# Altium PCB SmartHaloEE.PcbDoc (part 2 of 3) (continued)
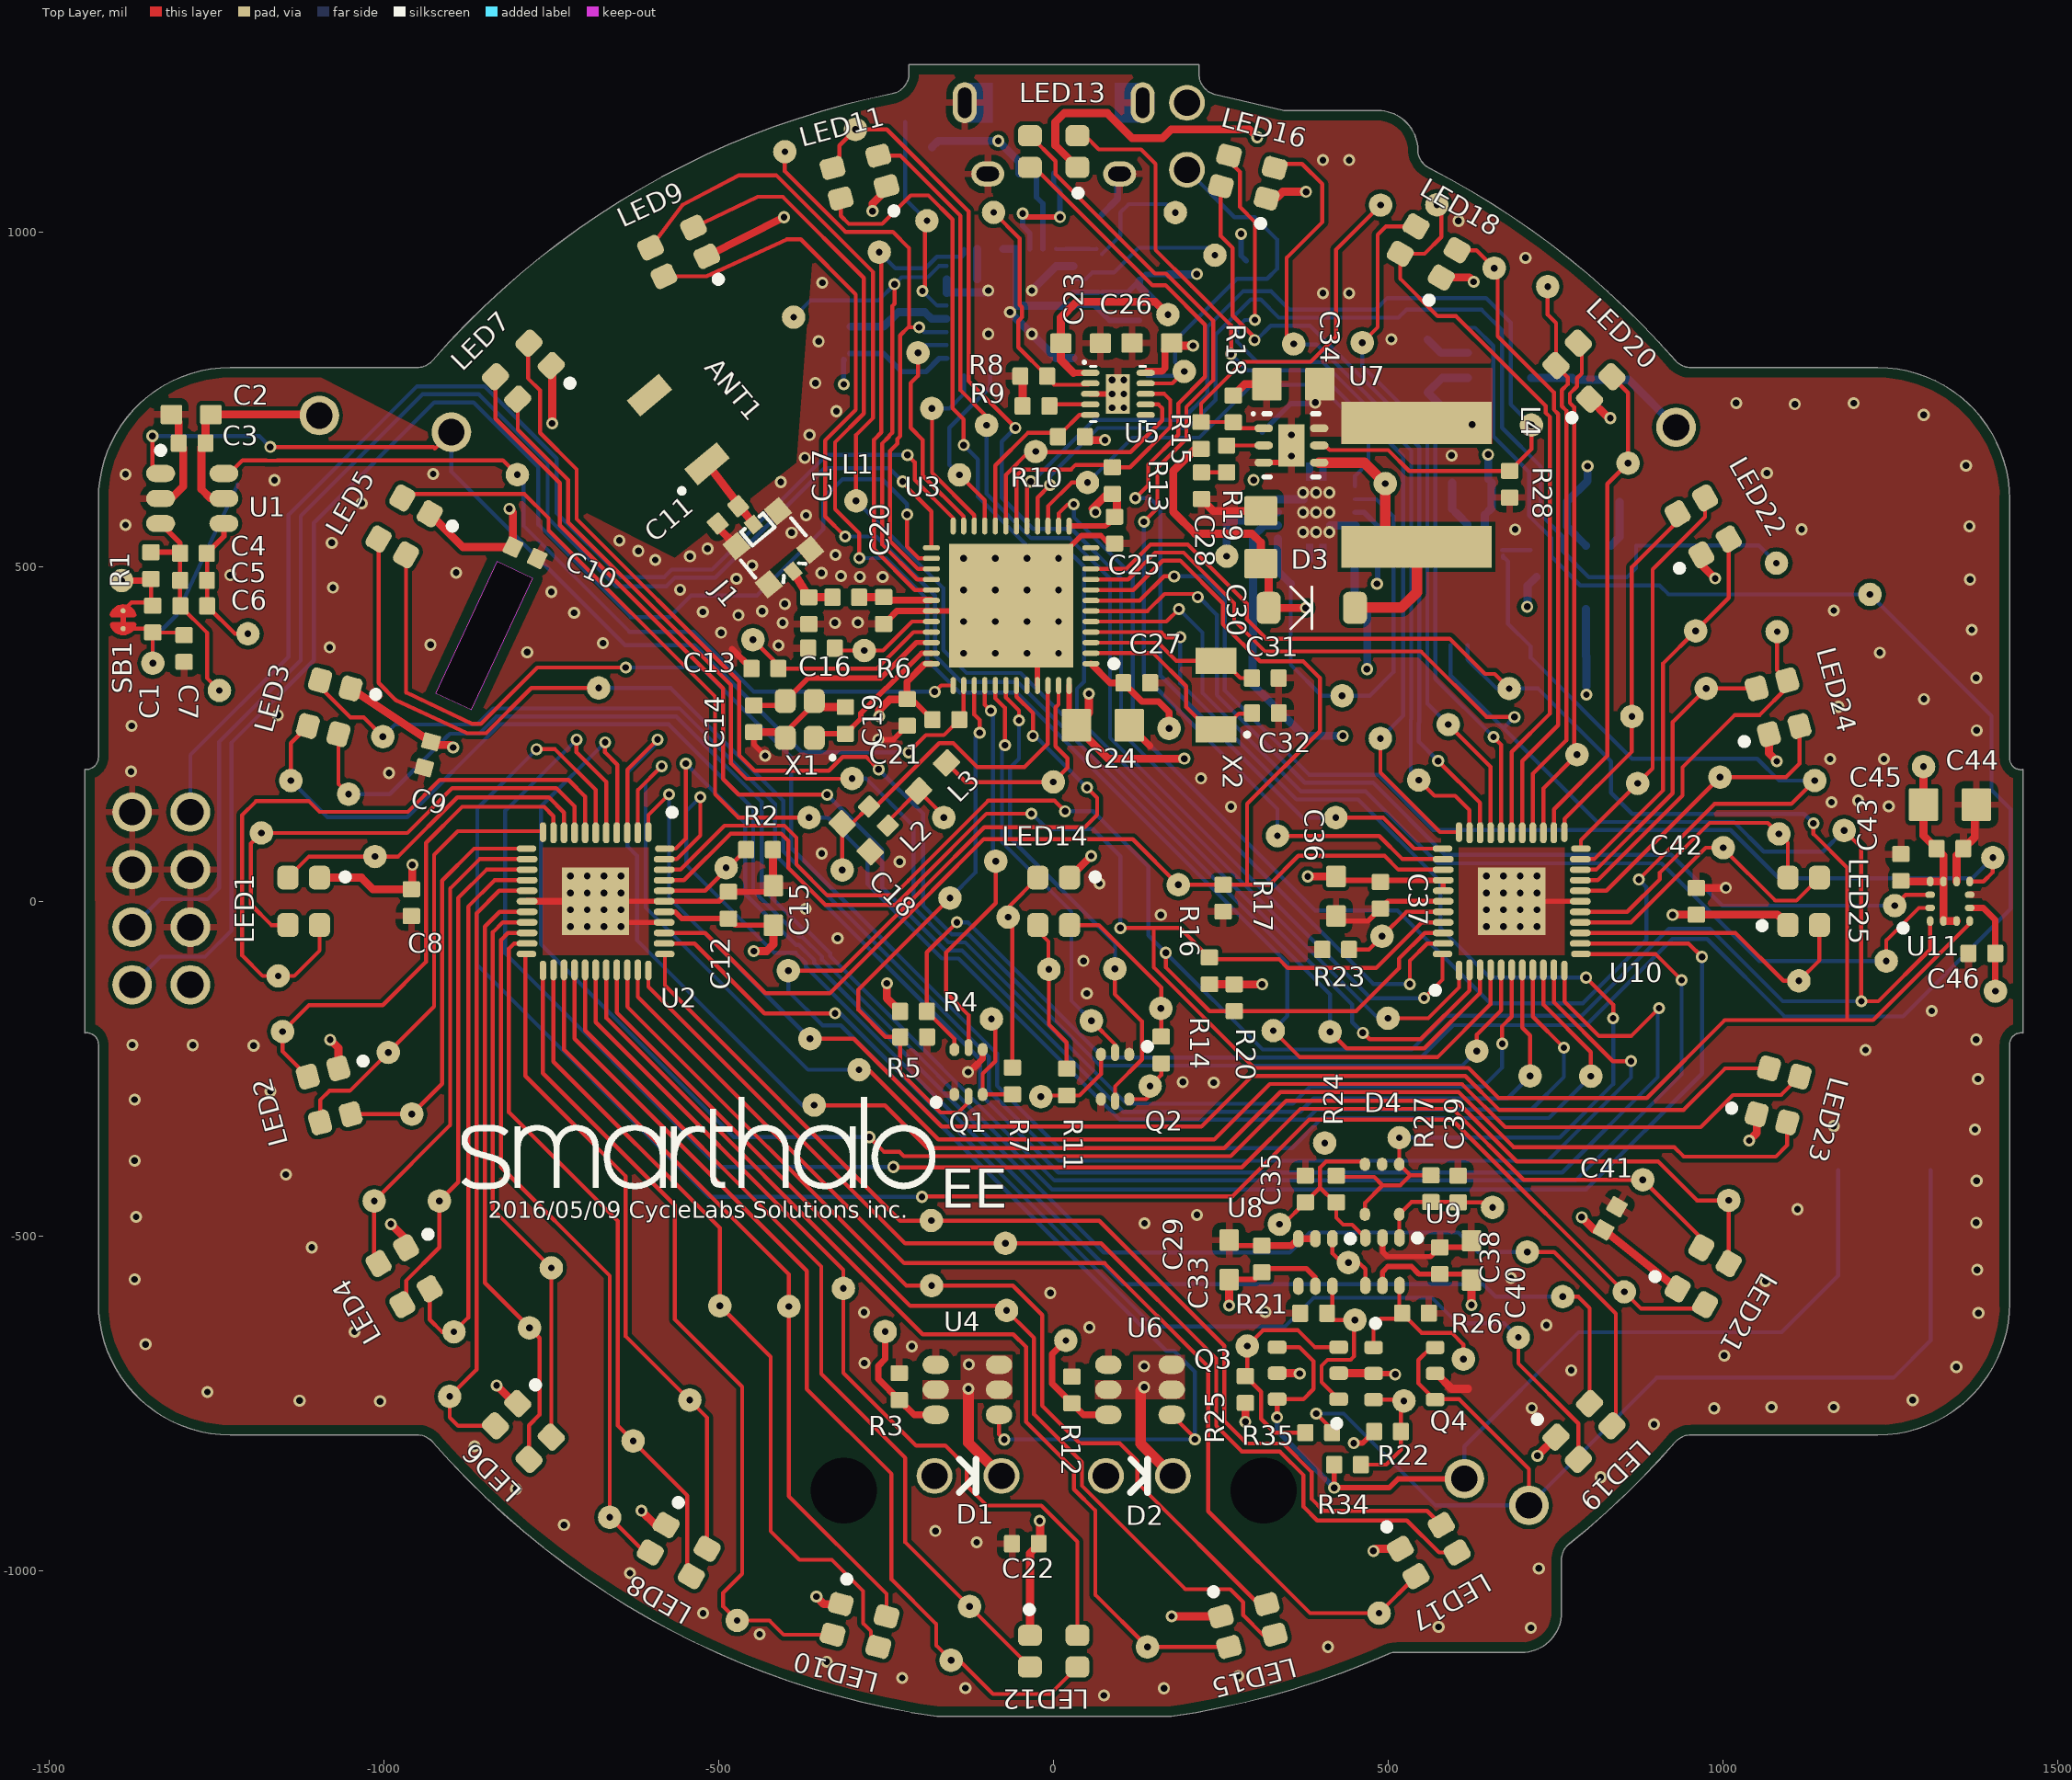
[diagram p0: Top Layer view]
## Nets (pads, with @x,y where several pads share a name; then routed paths per layer and width w, separated by ;. In a path a pad name is that pad's centre, name@x,y a point inside that pad or via, vN(x,y) a via of type N, cw(c..) or ccw(c..) an arc to the next point about the centre after c; other vN are vias at no path point) (continued)
  other v2: -721.77,-37.72 -696.61,-37.72 -671.5,-37.72 -646.34,-37.72 646.34,-37.72 671.5,-37.72 696.61,-37.72 721.77,-37.72 -721.77,-12.57 -696.61,-12.56 -671.5,-12.56 -646.34,-12.56 646.34,-12.56 671.5,-12.56 696.61,-12.56 721.77,-12.57 -721.77,12.57 -696.61,12.56 -671.5,12.56 -646.34,12.56 646.34,12.56 671.5,12.56 696.61,12.56 721.77,12.57 -721.77,37.72 -696.61,37.72 -671.5,37.72 -646.34,37.72 646.34,37.72 671.5,37.72 696.61,37.72 721.77,37.72 -134.39,370.65 -87.15,370.65 -39.9,370.65 7.34,370.65 -134.39,417.89 -87.15,417.89 -39.9,417.89 7.34,417.89 -134.39,465.14 -87.15,465.14 -39.9,465.14 7.34,465.14 -134.39,512.38 -87.15,512.38 -39.9,512.38 7.34,512.38 372.32,551.47 392,551.47 411.69,551.47 372.32,581 392,581 411.69,581 372.32,610.53 392,610.53 411.69,610.53 355.1,665.25 355.1,696.75 87.14,737.33 104.86,737.33 104.86,758 87.14,778.67 104.86,778.67
INT_1_XL: TP5.1 U3.5 U11.12 | length 1582.5
  Top Layer w6: U3.5@55.57,417.89 168.39,417.89 v1(187,436.5) ; TP5.1@1243.4,-89.2 1243.4,-58.5 1292.06,-9.84 U11.12@1309.06,-9.84
  Bottom Layer w6: v1(187,436.5) 222.1,401.4 222.1,311.4 369.3,164.2 466,164.2 573.4,56.8 907.8,56.8 1053.8,-89.2 TP5.1@1243.4,-89.2
INT_2_XL: TP4.1 U3.6 U11.11 | length 1534.7
  Top Layer w6: U3.6@55.57,433.64 139.94,433.64 165.4,459.1 212.4,459.1 215.1,456.4 v1(215.1,454.6) ; TP4.1@1256.1,-6.5 1272.2,9.6 1280.45,9.6 1280.69,9.84 U11.11@1309.06,9.84
  Bottom Layer w6: v1(215.1,454.6) 216.9,454.6 243.6,427.9 243.6,308.4 374.9,177.1 477,177.1 584.6,69.5 922.4,69.5 998.4,-6.5 TP4.1@1256.1,-6.5
INT_MAG: TP2.1 U3.7 U11.7 | length 1704.6
  Top Layer w6: U3.7@55.57,449.39 128.59,449.39 164.7,485.5 v1(179.9,485.5) ; U11.7@1368.11,29.53 1388.63,29.53 1402.6,43.5 TP2.1@1402.6,65.2
  Bottom Layer w6: v1(179.9,485.5) 223.4,485.5 255.6,453.3 255.6,315 381.5,189.1 484.4,189.1 566.9,106.6 1010.98,106.6 1083.18,34.4 1371.8,34.4 TP2.1@1402.6,65.2
ISET: R8.1 TP147.1 U5.2 | length 354
  Top Layer w6: TP147.1@-89.7,1029.1 -50.72,990.12 -50.72,890.98 -47.2,887.46 -47.2,872.55 -52.9,866.85 -52.9,827.7 R8.1@-9.8,784.6 ; R8.1@-11.25,783.15 0.37,771.53 52.44,771.53 U5.2@54.66,773.75
ISET2: TP74.1 U3.19 U5.7 | length 389.6
  Top Layer w6: U3.19@-71.4,560.61 -71.4,637.07 -36.57,671.9 TP74.1@-26.9,671.9 -26,671 114.6,671 162.1,718.5 162.1,736.5 156.35,742.25 U5.7@137.34,742.25
NetC1_2: C1.2 R1.2 SB1.1 TP144.1 | length 123.3
  Top Layer w6: SB1.1@-1389.8,433.9 -1377.3,446.4 -1348.2,446.4 R1.2@-1348.2,481.5
  Top Layer w10: TP144.1@-1392,479.1 R1.2@-1350.6,479.1
NetC20_2: C20.2 L1.1 U3.30 | length 102.6
  Top Layer w10: C20.2@-249.39,449.69 U3.30@-183.12,449.69
  Top Layer w12.38: L1.1@-290.5,454.1 C20.2@-254.2,454.1
NetC28_1: C28.1 R19.2 | length 37.3
  Top Layer w6: C28.1@220.8,640.9 R19.2@258.1,640.9
NetC35_1: C35.1 D4.3 R24.1 TP56.1 U9.3 | length 298.2
  Top Layer w6: TP56.1@337.3,-482.5 343,-482.5 C35.1@375.8,-449.7 397.8,-427.7 ; R24.1@419.9,-449.8 397.8,-427.7 ; R24.1@422,-449.8 422,-472.83 432.27,-483.1 445.77,-483.1 U9.3@465.52,-502.85 ; D4.3@464.85,-392.81 464.85,-388.8 406.75,-388.8 397.8,-397.75 397.8,-427.7
NetC39_1: C39.1 D4.5 R27.1 TP35.1 U9.1 | length 184.9
  Top Layer w6: U9.1@516.04,-502.85 D4.5@516.04,-467.61 534.32,-449.33 R27.1@563.26,-449.33 C39.1@603.53,-449.33 ; C39.1@604,-449.8 648.1,-449.8 TP35.1@655.5,-457.2
NetC46_1: C46.1 TP1.1 U11.5 | length 151.9
  Top Layer w10: U11.5@1368.11,-9.84 1388.34,-9.84 1406.2,-27.7 C46.1@1406.2,-77.8 TP1.1@1406.2,-134.1
NetD1_2: D1.2 U4.2 U4.3 U4.5 | length 150.7
  Top Layer w16: v2(-127.4,-728.2) -127.4,-808.94 D1.2@-77.95,-858.39
  other v2: -126.6,-692.1
NetD2_2: D2.2 U6.2 U6.3 U6.5 | length 147.1
  Top Layer w16: v2@129.9,-731.2 129.9,-810.33 D2.2@177.95,-858.39
  other v2: 135.2,-725.9 135.2,-694.5
NetD3_2: D3.2 L4.2 TP151.1 U7.4 | length 419.7
  Top Layer w16: U7.4@396.44,655.41 463.89,655.41 TP151.1@495.3,624 495.3,538.9 503.62,530.58 L4.2@526.82,530.58 ; D3.2@450,438.9 519.6,438.9 542.4,461.7 542.4,530.58 L4.2@526.82,530.58 ; L4.2@527.82,529.58 L4.2@526.82,530.58
NetL2_2: L2.2 L3.1 TP85.1 | length 124.2
  Top Layer w6: L2.2@-247.66,113.26 -247.66,119.25 L3.1@-201.78,165.12 TP85.1@-164.1,127.44
NetL3_2: L3.2 TP71.1 U3.47 | length 333.8
  Top Layer w6: L3.2@-160.07,206.84 -131.22,178 -0.8,178 TP71.1@-0.5,178.3 20.7,199.5 20.7,213.6 2.87,231.43 2.87,289.7 7.3,294.14 U3.47@7.34,322.42 U3.47@7.34,322.42
NetL5_2: L5.2 TP149.1 U15.3 | length 123.8
  Bottom Layer w12: TP149.1@258.4,515.5 L5.2@258.4,561.49 ; L5.2@262.27,568.57 290.77,568.57 303.2,581 U15.3@334.93,581
NetQ1_3: Q1.3 R7.1 TP79.1 | length 167.1
  Top Layer w6: TP79.1@-93,-175.8 -87.2,-181.6 -87.2,-238.8 -106.02,-257.62 Q1.3@-106.02,-288.46 R7.1@-61.76,-288.46
NetQ2_3: Q2.3 R11.1 TP73.1 | length 130.6
  Top Layer w6: TP73.1@-17.4,-290.1 R11.1@19.4,-290.1 38.6,-290.1 70.52,-258.18 Q2.3@70.52,-228.74
NetQ2_6: Q2.6 R14.1 TP65.1 | length 88.1
  Top Layer w6: Q2.6@112.88,-295.66 138.04,-295.66 144,-289.7 TP65.1@144,-275.9 160.6,-259.3 R14.1@160.6,-242.1
NetQ3_3: Q3.3 R25.1 R35.2 TP148.1 | length 352.3
  Top Layer w6: R25.1@286.3,-709.5 309.6,-732.8 309.6,-773.3 330.3,-794 374.3,-794 R35.2@374.3,-797.7 ; R25.1@289.1,-709.5 TP148.1@289.1,-664.3 312.5,-640.9 364.9,-640.9 389.9,-665.9 Q3.3@425.7,-665.9
NetQ4_3: Q4.3 R22.1 R34.2 TP146.1 | length 186.6
  Top Layer w6: R34.2@458.9,-841.5 496.6,-841.5 518.5,-819.6 R22.1@518.5,-792.2 TP146.1@518.5,-745.3 ; Q4.3@477.7,-744.5 TP146.1@521.3,-744.5
NetR2_1: R2.1 TP109.1 U2.40 | length 147.8
  Top Layer w6: U2.40@-581.69,15.75 -520.65,15.75 R2.1@-459.3,77.1
NetR3_2: R3.2 TP92.1 U4.6 | length 183
  Top Layer w10: TP92.1@-251.7,-642.8 -251.7,-683.7 -262.1,-694.1 -262.1,-713.39 R3.2@-230.61,-744.88 -208.45,-767.05 U4.6@-176.18,-767.05
NetR12_2: R12.2 TP70.1 U6.6 | length 176.3
  Top Layer w10: TP70.1@18.1,-656 -2.4,-676.5 -2.4,-720.41 R12.2@27.24,-750.06 44.23,-767.05 U6.6@81.69,-767.05
NetR15_1: R15.1 R18.2 TP150.1 U7.1 | length 592
  Top Layer w6: U7.1@313.76,706.59 267.51,706.59 258.1,716 R15.1@220.1,716 220.1,743.55 282.56,806.02 383.92,806.02 421.8,843.9 421.8,973.6 TP150.1@488.2,1040
NetR19_1: R19.1 U7.2 | length 83
  Top Layer w6: U7.2@313.76,681 R19.1@261.2,681 ; R19.1@258.1,684 R19.1@258.2,684 ; R19.1@258.1,684 R19.1@258.2,684 ; R19.1@258.1,684 R19.1@258.2,684 ; R19.1@258.1,684 R19.1@258.2,684 ; R19.1@258.1,684 R19.1@258.2,684 ; R19.1@258.1,684 R19.1@258.2,684 ; R19.1@258.1,684 R19.1@258.2,684 ; R19.1@258.2,684 R19.1@259.8,682.4 ; R19.1@258.2,684 R19.1@259.8,682.4 ; R19.1@258.2,684 R19.1@261.2,681 ; R19.1@258.2,684 R19.1@259.8,682.4 ; R19.1@258.2,684 R19.1@259.8,682.4 ; R19.1@258.2,684 R19.1@261.2,681 ; R19.1@258.2,684 R19.1@259.8,682.4 ; R19.1@259.8,682.4 R19.1@261.2,681 ; R19.1@259.8,682.4 R19.1@261.2,681 ; R19.1@259.8,682.4 R19.1@261.2,681 ; R19.1@259.8,682.4 R19.1@261.2,681 ; R19.1@259.8,682.4 R19.1@261.2,681
NetR23_1: R23.1 TP44.1 U10.40 | length 163.9
  Top Layer w6: R23.1@441.1,-72 470.7,-72 TP44.1@490.4,-52.3 526.95,-15.75 U10.40@581.69,-15.75
NetTP50_1: TP50.1 U8.1 U9.4 | length 105.2
  Top Layer w6: U8.1@416.37,-504.01 416.37,-525.87 431.2,-540.7 456.8,-540.7 465.52,-549.42 U9.4@465.52,-573.85
OUT1: LED19.4 TP26.1 U2.43 | length 2004.8
  Top Layer w6: U2.43@-581.69,62.99 -563.11,62.99 -527.8,98.3 v1(-527.8,155.6) ; TP26.1@760.2,-590.7 783.4,-590.7 800.36,-607.66 LED19.4@800.36,-750.25
  Bottom Layer w6: v1(-527.8,155.6) -548.5,134.9 -548.5,54.1 -417.3,-77.1 -385.42,-77.1 -369.9,-92.62 -369.9,-98.3 103.7,-571.9 641.1,-571.9 659.9,-590.7 TP26.1@760.2,-590.7
OUT2: LED19.3 TP31.1 U2.44 | length 2138.7
  Top Layer w6: U2.44@-580.71,78.74 -564.33,78.74 -549.4,93.67 v1(-549.4,205.8) ; TP31.1@707.3,-523.8 747.4,-523.8 839.5,-615.9 839.5,-777.92 LED19.3@833.77,-783.66
  Bottom Layer w6: v1(-549.4,205.8) -460.8,117.2 -460.8,10.9 -384.8,-65.1 -380.45,-65.1 -357.9,-87.65 -357.9,-92 74.9,-524.8 352.4,-524.8 382.4,-494.8 604.5,-494.8 633.5,-523.8 TP31.1@707.3,-523.8
OUT3: LED23.4 TP101.1 U2.1 | length 2085.9
  Top Layer w6: U2.1@-605.32,103.35 -605.31,128.89 v1(-574.4,159.8) ; TP101.1@-363.9,-205.4 -298.6,-205.4 -167.6,-336.4 220.7,-336.4 296.2,-260.9 614.65,-260.9 665.25,-311.5 941,-311.5 1002.92,-249.58 LED23.4@1068.24,-249.58
  Bottom Layer w6: v1(-574.4,159.8) -574.4,5.1 TP101.1@-363.9,-205.4
OUT4: LED23.3 TP94.1 U2.2 | length 2294.6
  Top Layer w6: U2.2@-621.06,102.36 -621.06,166.04 v1(-585.3,201.8) ; TP94.1@-290.7,-251.4 -276.6,-251.4 -172.3,-355.7 239.9,-355.7 322.7,-272.9 609.68,-272.9 674.28,-337.5 966.3,-337.5 1014.32,-289.48 1086.21,-289.48 LED23.3@1113.88,-261.81
  Bottom Layer w6: v1(-585.3,201.8) -609.4,177.7 -609.4,-9.2 -366.9,-251.7 TP94.1@-290.7,-251.7
OUT5: LED23.2 TP100.1 U2.3 | length 2444.6
  Top Layer w6: U2.3@-636.81,102.36 -636.81,196.39 v1(-591.5,241.7) ; TP100.1@-357.7,-305 -251.9,-305 -188.1,-368.8 254.7,-368.8 338.6,-284.9 604.71,-284.9 687.01,-367.2 926.9,-367.2 941.1,-381.4 1078.4,-381.4 1095.54,-364.26 LED23.2@1095.54,-330.26
  Bottom Layer w6: v1(-591.5,241.7) -591.5,237.8 -636.4,192.9 -636.4,82.2 -622.35,68.15 -622.35,-57.95 -375.3,-305 TP100.1@-357.7,-305
OUT6: LED21.3 TP13.1 U2.4 | length 2578.5
  Top Layer w6: v1(-670,237.5) -670,222.5 -651.6,204.1 U2.4@-651.6,103.32 ; v1(-275.4,-352.2) -253.2,-374.4 -230.18,-374.4 -223.78,-380.8 264.5,-380.8 347.3,-298 600.84,-298 691.44,-388.6 902.7,-388.6 960.87,-446.77 TP13.1@1008.17,-446.77 LED21.3@1008.17,-541.16
  Bottom Layer w6: v1(-670,237.5) -765.8,141.7 -765.8,-64 -477.6,-352.2 v1(-275.4,-352.2)
OUT7: LED21.4 TP19.1 U2.5 | length 2570.6
  Top Layer w6: v1(-712.6,241.6) -712.6,222.7 -668.31,178.41 U2.5@-668.31,102.36 ; v1(-239.5,-396.9) -238.7,-397.7 280.8,-397.7 368.5,-310 595.87,-310 701.87,-416 TP19.1@879.9,-416 967.26,-503.36 LED21.4@967.26,-517.54
  Bottom Layer w6: v1(-712.6,241.6) -819.1,135.1 -819.1,-77.9 -500.1,-396.9 v1(-239.5,-396.9)
OUT8: LED21.2 TP23.1 U2.6 | length 2684.6
  Top Layer w6: v1(-772.4,227.2) -744.7,227.2 -684.05,166.55 U2.6@-684.06,102.36 ; v1(-196.6,-441.5) -195.7,-440.6 267.1,-440.6 381.6,-326.1 594.8,-326.1 877.31,-608.61 972.74,-608.61 LED21.2@972.74,-602.54
  Bottom Layer w6: v1(-772.4,227.2) -860.9,138.7 -860.9,-95.1 -514.5,-441.5 v1(-196.6,-441.5)
OUT9: LED1.4 TP131.1 U2.7 | length 1003.4
  Top Layer w6: LED1.4@-1096.46,-35.43 -1096.46,-73.66 -1134.3,-111.5 TP131.1@-1158.2,-111.5 -1181.4,-111.5 -1212.1,-80.8 -1212.1,128.8 -1191.3,149.6 -1112.3,149.6 -1096.3,133.6 -964.6,133.6 -917,181.2 -724.6,181.2 -699.8,156.4 U2.7@-699.8,102.36
OUT10: LED1.3 TP132.1 U2.8 | length 728
  Top Layer w6: LED1.3@-1143.7,-35.43 -1168.45,-35.43 -1199.2,-4.68 -1199.2,86.2 TP132.1@-1183.3,102.1 -965.3,102.1 -898.2,169.2 -742.9,169.2 -715.55,141.85 U2.8@-715.55,102.36
OUT11: LED1.2 TP125.1 U2.9 | length 501.7
  Top Layer w6: LED1.2@-1143.7,35.43 -1112.23,66.9 -979.1,66.9 -890.8,155.2 -753.8,155.2 -731.3,132.7 U2.9@-731.3,102.36
OUT12: LED2.2 TP130.1 U2.10 | length 761.1
  Top Layer w6: LED2.2@-1113.92,-261.81 -1151.6,-224.13 TP130.1@-1151.6,-194.6 -1112.1,-155.1 -1002,-155.1 -937.29,-90.39 -937.29,87.31 -883.5,141.1 -760.9,141.1 -747.05,127.25 U2.10@-747.05,102.36
OUT13: LED2.3 TP123.1 U2.11 | length 655.2
  Top Layer w6: LED2.3@-1095.58,-321.68 -1095.58,-296.98 -1081.7,-283.1 -1051.2,-283.1 -925.29,-157.19 -925.29,69.41 -890,104.7 U2.11@-764.15,104.7
OUT14: LED2.4 TP122.1 U2.12 | length 604.8
  Top Layer w6: LED2.4@-1049.94,-318.03 -958.6,-318.03 -913.29,-272.72 -913.29,31.01 -865.56,78.74 U2.12@-787.4,78.74
OUT15: LED4.2 TP126.1 U2.13 | length 743.1
  Top Layer w6: LED4.2@-1008.21,-541.16 -1014.8,-534.58 TP126.1@-1014.8,-447.7 -901.29,-334.19 -901.29,19.11 -857.41,62.99 U2.13@-786.42,62.99
OUT16: LED4.3 TP121.1 U2.14 | length 762.6
  Top Layer w6: LED4.3@-972.78,-602.54 -967.1,-596.86 -967.1,-566.8 -917.4,-517.1 TP121.1@-917.4,-447.6 -889.29,-419.49 -889.29,5.11 -847.16,47.24 U2.14@-786.42,47.24
OUT17: LED4.4 TP119.1 U2.15 | length 838.1
  Top Layer w6: LED4.4@-931.87,-578.91 -931.87,-624.93 -913.6,-643.2 TP119.1@-895.7,-643.2 -874.4,-621.9 -874.4,-8 -834.9,31.5 U2.15@-786.42,31.5
OUT18: LED6.2 TP120.1 U2.16 | length 932.8
  Top Layer w6: LED6.2@-833.81,-783.66 -889.54,-783.66 -902.1,-771.1 TP120.1@-902.1,-739.6 -862,-699.5 -862,-18 -828.25,15.75 U2.16@-786.42,15.75
OUT19: LED6.3 TP116.1 U2.18 | length 908.8
  Top Layer w6: U2.18@-786.42,-15.75 -827.55,-15.75 -849.6,-37.8 -849.6,-569.8 -782.9,-636.5 TP116.1@-782.9,-637.1 -767.7,-652.3 -767.7,-766.8 -783.7,-782.8 LED6.3@-783.7,-833.77
OUT20: LED6.4 TP115.1 U2.19 | length 847.6
  Top Layer w6: U2.19@-786.42,-31.5 -822.9,-31.5 -837.6,-46.2 -837.6,-460.3 TP115.1@-750.29,-547.61 LED6.4@-750.29,-800.36
OUT21: LED8.2 TP113.1 U2.20 | length 1055.6
  Top Layer w6: U2.20@-786.42,-47.24 -815.04,-47.24 -825.6,-57.8 -825.6,-396.9 -663.1,-559.4 TP113.1@-663.1,-920.2 -610.52,-972.78 LED8.2@-602.54,-972.78
OUT22: LED8.3 TP112.1 U2.21 | length 1080.7
  Top Layer w6: U2.21@-786.42,-62.99 -805.89,-62.99 -813.6,-70.7 -813.6,-315.1 -651.1,-477.6 -651.1,-783.1 TP112.1@-628.1,-806.1 -628.1,-806.8 -547.24,-887.66 -547.24,-1002.14 LED8.3@-541.16,-1008.21
OUT23: LED8.4 TP111.1 U2.22 | length 999.3
  Top Layer w6: U2.22@-789.1,-80.44 -789.1,-260.8 -639.1,-410.8 -639.1,-650 -517.54,-771.56 LED8.4@-517.54,-967.3
OUT24: LED10.2 TP108.1 U2.23 | length 1266.1
  Top Layer w6: U2.23@-762.8,-103.35 -762.8,-256.8 -565.7,-453.9 -565.7,-624.5 -465.2,-725 -465.2,-1004.6 -493.8,-1033.2 -493.8,-1053.2 TP108.1@-472.7,-1074.3 -424.6,-1074.3 -403.32,-1095.58 LED10.2@-330.26,-1095.58
OUT25: LED10.3 TP110.1 U2.24 | length 1240.9
  Top Layer w6: U2.24@-747.05,-102.36 -747.05,-239.55 -498.7,-487.9 TP110.1@-498.7,-604.4 -422.6,-680.5 -422.6,-941 -379.8,-983.8 -331.4,-983.8 -284.7,-1030.5 -284.7,-1078.6 -273,-1090.3 -273,-1102.73 LED10.3@-261.81,-1113.92
OUT26: LED10.4 TP104.1 U2.25 | length 1165.5
  Top Layer w6: U2.25@-731.3,-102.36 -731.3,-221.4 -395.4,-557.3 TP104.1@-395.4,-605.2 -395.4,-888.8 -249.58,-1034.62 LED10.4@-249.58,-1068.28
OUT27: LED12.3 TP83.1 U2.26 | length 1490.7
  Top Layer w6: U2.26@-715.55,-102.36 -715.55,-205.25 -368.8,-552 -368.8,-728.8 -242.2,-855.4 -242.2,-1013 -175.5,-1079.7 -175.5,-1111.6 TP83.1@-153.3,-1133.8 -141.1,-1133.8 -90.7,-1184.2 -5.07,-1184.2 LED12.3@35.43,-1143.7
OUT28: LED12.2 TP81.1 U2.27 | length 1316.5
  Top Layer w6: U2.27@-699.8,-102.36 -699.8,-192.8 -347.1,-545.5 -347.1,-706 -221.6,-831.5 -221.6,-957.53 LED12.2@-35.43,-1143.7
OUT29: LED12.4 TP98.1 U2.28 | length 1365.6
  Top Layer w6: U2.28@-684.06,-102.36 -684.05,-180.65 -314.1,-550.6 TP98.1@-314.1,-578.3 -314.1,-704.3 -314.25,-704.45 -205.5,-813.2 -161.8,-813.2 -129.8,-845.2 -129.8,-872.9 -100,-902.7 -18.44,-902.7 35.43,-956.58 LED12.4@35.43,-1096.46
OUT30: LED15.2 TP66.1 U2.29 | length 1547.4
  Top Layer w6: U2.29@-668.31,-102.36 -668.31,-174.19 -195.7,-646.8 -60.3,-646.8 -41.3,-665.8 -41.3,-777.7 30.18,-849.18 30.18,-878.17 62.1,-910.09 62.1,-1036 TP66.1@140.02,-1113.92 LED15.2@261.77,-1113.92
OUT31: LED15.3 TP76.1 U2.30 | length 1530.3
  Top Layer w6: U2.30@-652.56,-102.36 -652.56,-166.04 -214.1,-604.5 -77.2,-604.5 -29.3,-652.4 -29.3,-766.4 42.18,-837.88 42.18,-873.2 196.68,-1027.7 263.6,-1027.7 282.9,-1047 282.9,-1066.3 312.18,-1095.58 LED15.3@330.22,-1095.58
OUT32: LED15.4 TP87.1 U2.31 | length 1478
  Top Layer w6: U2.31@-636.81,-102.36 -636.81,-157.39 -220.1,-574.1 -61.22,-574.1 -17.3,-618.02 -17.3,-753.5 38.8,-809.6 98.5,-809.6 125.2,-836.3 125.2,-868.9 306.24,-1049.94 LED15.4@317.99,-1049.94
OUT33: LED17.2 TP46.1 U2.32 | length 1733.3
  Top Layer w6: U2.32@-621.06,-102.36 -621.06,-142.64 -223.1,-540.6 76,-540.6 230.7,-695.3 230.7,-911.3 382.8,-1063.4 TP46.1@485.98,-1063.4 LED17.2@541.16,-1008.21
OUT34: LED17.3 TP77.1 U2.33 | length 1668.7
  Top Layer w6: U2.33@-605.32,-103.35 -605.31,-127.69 -222,-511 70.8,-511 242.7,-682.9 242.7,-783.6 281.12,-822.02 337.7,-822.02 373.1,-857.43 373.1,-904.4 393.6,-924.9 527.6,-924.9 575.48,-972.78 LED17.3@602.54,-972.78
OUT35: LED17.4 TP88.1 U2.34 | length 1629.8
  Top Layer w6: U2.34@-580.71,-78.74 -580.71,-125.69 -229.2,-477.2 67.9,-477.2 254.7,-664 254.7,-776.4 288.32,-810.02 342.67,-810.02 385.1,-852.46 385.1,-892.5 403.3,-910.7 557.75,-910.7 LED17.4@578.91,-931.87
OUT36: LED19.2 TP32.1 U2.35 | length 1774.7
  Top Layer w6: U2.35@-581.69,-62.99 -536.21,-62.99 -431.8,-167.4 v1(-326.6,-167.4) ; TP32.1@693.9,-651.3 693.9,-690.3 783.66,-780.06 LED19.2@783.66,-833.77
  Bottom Layer w6: v1(-326.6,-167.4) -318.5,-167.4 149.5,-635.4 345,-635.4 388.2,-592.2 564.9,-592.2 603.3,-630.6 673.2,-630.6 TP32.1@693.9,-651.3
OUT37: LED11.3 TP96.1 U10.43 | length 1897
  Top Layer w6: LED11.3@-330.26,1095.54 -320.1,1105.7 -320.1,1129.1 TP96.1@-296,1153.2 -249.4,1153.2 -127.2,1031 -127.2,777.4 v1(-57.1,707.3) ; v1(531.9,-123.7) 531.9,-88.7 557.61,-62.99 U10.43@581.69,-62.99
  Bottom Layer w6: v1(-57.1,707.3) -77.5,686.9 -77.5,603.04 -30.86,556.4 26.8,556.4 100.7,482.5 100.7,253.1 302.83,50.97 477.5,-123.7 v1(531.9,-123.7)
OUT38: LED11.2 TP80.1 U10.44 | length 1773.2
  Top Layer w6: LED11.2@-261.81,1113.88 -228.98,1113.88 -139.2,1024.1 -139.2,763.4 -100.2,724.4 TP80.1@-100.2,711.1 ; v1(553.1,-144.6) 580.71,-116.99 U10.44@580.71,-78.74
  Bottom Layer w6: TP80.1@-100.2,711.1 -100.2,608.77 -33.81,542.38 23.82,542.38 84.2,482 84.2,244.3 473.1,-144.6 v1(553.1,-144.6)
OUT39: LED11.4 TP43.1 U10.1 | length 1892.2
  Top Layer w6: LED11.4@-318.03,1049.9 -318.03,1024.03 -305.9,1011.9 -256.1,1011.9 -213.5,1054.5 -187.2,1054.5 -151.2,1018.5 -151.2,736.7 -134.4,719.9 v1(-134.4,681.4) ; TP43.1@499.2,-174.7 559.3,-174.7 605.32,-128.68 U10.1@605.32,-103.35
  Bottom Layer w6: v1(-134.4,681.4) -113.2,660.2 -113.2,604.8 -38.78,530.38 14.8,530.38 45.2,499.98 45.2,328.06 34.7,317.56 34.7,275 484.4,-174.7 TP43.1@499.2,-174.7
OUT40: LED9.3 TP95.1 U10.2 | length 2167.1
  Top Layer w6: LED9.3@-602.14,976.43 -554.01,1040.51 -469.68,1084.6 -414.4,1084.6 -269.7,939.9 -269.7,722.1 -295.1,696.7 TP95.1@-295.1,598.1 ; v1(461.7,-196.5) 462.4,-196.5 471.9,-206 548.2,-206 621.06,-133.14 U10.2@621.06,-102.36
  Bottom Layer w6: TP95.1@-295.1,598.1 -165,468 -165,375.8 -130.14,340.94 -49.44,340.94 445.7,-154.2 445.7,-180.5 v1(461.7,-196.5)
OUT41: LED9.4 TP53.1 U10.3 | length 2144.9
  Top Layer w6: LED9.4@-582.17,933.62 -518.46,933.62 -398.6,988.9 -377.8,988.9 -295.6,906.7 -295.6,734.2 -341.4,688.4 -341.4,575 v1(-311.4,545) ; TP53.1@412.7,-195 437.5,-219.8 553.6,-219.8 636.81,-136.59 U10.3@636.81,-102.36
  Bottom Layer w6: v1(-311.4,545) -265.17,545 -177,456.83 -177,367.13 -137.57,327.7 -54.03,327.7 412.7,-139.03 TP53.1@412.7,-195
OUT42: LED9.2 TP58.1 U10.4 | length 2244.1
  Top Layer w6: LED9.2@-537.91,1006.38 -441.72,1052.5 -404.7,1052.5 -283.6,931.4 -283.6,728.7 -326.6,685.7 -326.6,585.7 -290.3,549.4 v1(-290.3,512.8) ; TP58.1@327.9,-193.2 367.7,-233 573.1,-233 652.56,-153.54 U10.4@652.56,-102.36
  Bottom Layer w6: v1(-290.3,512.8) -250.3,512.8 -189,451.5 -189,360.6 -140,311.6 -54.9,311.6 348.9,-92.2 348.9,-171.2 TP58.1@327.4,-192.7
OUT43: LED7.2 TP37.1 U10.5 | length 2282.9
  Top Layer w6: LED7.2@-785.1,833.77 -785.1,781.4 -767.04,763.34 -767.04,699.94 -712.4,645.3 -712.4,571 -472.6,331.2 -472.6,330.74 -469.8,327.94 -469.8,306.92 ; -469.83,266.89 -469.83,218.23 -446.6,195 -335.7,195 -315.1,215.6 -279.9,215.6 v1(-261.5,197.2) ; -469.83,278.39 -469.83,306.89 ; -469.8,266.92 -469.8,278.35 ; TP37.1@631.9,-223.7 631.9,-199.3 668.31,-162.89 U10.5@668.31,-102.36
  Bottom Layer w6: v1(-261.5,197.2) -195.1,130.8 -195.1,-6.36 -152.03,-49.42 -127.12,-49.42 68.95,-245.5 610.1,-245.5 TP37.1@631.9,-223.7
OUT44: LED7.4 TP97.1 U10.6 | length 2284.4
  Top Layer w6: LED7.4@-800.4,750.25 -800.4,704.67 -725.1,629.37 -725.1,566.27 -481.8,322.97 ; -481.83,322.94 -481.83,205.93 -458.9,183 -301.8,183 TP97.1@-301.2,183.6 ; v1(669.8,-212.9) 669.8,-186.5 684.06,-172.24 U10.6@684.06,-102.36
  Bottom Layer w6: TP97.1@-301.2,183.6 -280.6,183.6 -209.4,112.4 -209.4,-9.03 -157,-61.42 -132.09,-61.42 108.88,-302.4 357.1,-302.4 382.6,-276.9 641.2,-276.9 669.8,-248.3 v1(669.8,-212.9)
OUT45: LED7.3 TP30.1 U10.7 | length 2371.5
  Top Layer w6: LED7.3@-833.81,783.66 -833.81,721.11 -737.7,625 -737.7,561.9 -493.83,318.03 -493.83,182.73 -470.4,159.3 v1(-338.4,159.3) ; U10.7@699.8,-102.36 699.8,-188.9 711.5,-200.6 TP30.1@711.5,-260.9
  Bottom Layer w6: v1(-338.4,159.3) -256.2,77.1 -256.2,20.8 -161.97,-73.42 -137.06,-73.42 103.91,-314.4 368.1,-314.4 387.9,-294.6 677.8,-294.6 TP30.1@711.5,-260.9
OUT46: LED5.2 TP102.1 U10.8 | length 2453.3
  Top Layer w6: LED5.2@-972.78,602.54 -972.78,608.61 -790.61,608.61 -754.4,572.4 -754.4,554.4 -505.83,305.83 -505.83,160.03 -470.9,125.1 TP102.1@-365.4,125.1 ; U10.8@715.55,-102.36 715.55,-172.25 v1(762,-218.7)
  Bottom Layer w6: TP102.1@-365.4,124.9 -337.3,124.9 -278.3,65.9 -278.3,25.93 -166.94,-85.42 -142.04,-85.42 98.94,-326.4 377,-326.4 392.4,-311 713.5,-311 762,-262.5 v1(762,-218.7)
OUT47: LED5.4 TP24.1 U10.9 | length 2658.3
  Top Layer w6: LED5.4@-967.3,517.54 -967.3,311.97 -868,265 -855.5,265 -771.2,349.3 v1(-639.2,349.3) ; U10.9@731.3,-102.36 731.3,-154.3 802.2,-225.2 TP24.1@802.2,-261.3
  Bottom Layer w6: v1(-639.2,349.3) -526,349.3 -392,215.3 -392,79.8 -84.7,-227.5 -84.7,-275.3 8.9,-368.9 355.8,-368.9 400.9,-323.8 739.7,-323.8 TP24.1@802.2,-261.3
OUT48: LED5.3 TP114.1 U10.10 | length 2777.5
  Top Layer w6: LED5.3@-1008.21,541.16 -1008.21,326.18 -982.67,300.63 -876.1,251 -847.8,251 -780.2,318.6 TP114.1@-679.6,318.6 ; U10.10@747.05,-102.36 747.05,-150.79 835.06,-238.8 v1(862.3,-238.8)
  Bottom Layer w6: TP114.1@-679.6,318.6 -572.25,318.6 -404,150.35 -404,74.83 -96.7,-232.47 -96.7,-282.9 8,-387.6 738,-387.6 862.3,-263.3 v1(862.3,-238.8)
OUT49: LED3.2 TP124.1 U10.11 | length 2806.9
  Top Layer w6: LED3.2@-1095.58,330.22 -1095.58,319.98 -1050.3,274.7 -1030.5,274.7 TP124.1@-1001.8,246 ; U10.11@762.8,-103.35 762.8,-149.57 814.63,-201.4 862.4,-201.4 v1(904.1,-159.7)
  Bottom Layer w6: TP124.1@-1001.8,246 -983.7,264.1 -861.14,264.1 -837.04,288.2 -558.82,288.2 -416,145.38 -416,69.86 -109.9,-236.24 -109.9,-262.66 -110,-262.76 -110,-288.1 6.9,-405 759.7,-405 902,-262.7 902,-161.8 v1(904.1,-159.7)
OUT50: LED3.4 TP127.1 U10.12 | length 2872.5
  Top Layer w6: LED3.4@-1068.28,249.54 -1068.28,175.38 TP127.1@-1053,160.1 ; U10.12@787.4,-78.74 898.74,-78.74 v1(937.8,-117.8)
  Bottom Layer w6: TP127.1@-1053,160.1 -991.8,160.1 -914.9,237 -914.9,237.36 -904.36,247.9 -904,247.9 -901.6,250.3 -857.97,250.3 -832.07,276.2 -563.79,276.2 -436.3,148.71 -436.3,20.5 -374.7,-41.1 -370.51,-41.1 -333.9,-77.71 -333.9,-81.9 1.2,-417 779.3,-417 937.8,-258.5 v1(937.8,-117.8)
OUT51: LED3.3 TP129.1 U10.13 | length 3077.6
  Top Layer w6: TP129.1@-1139.3,180.3 -1139.3,236.39 LED3.3@-1113.92,261.77 ; U10.13@786.42,-62.99 948.09,-62.99 v1(968.2,-83.1)
  Bottom Layer w6: TP129.1@-1139.3,180.3 -1084.7,125.7 -965.6,125.7 -827.1,264.2 -574.8,264.2 -448.8,138.2 -448.8,15.9 -379.8,-53.1 -375.48,-53.1 -345.9,-82.68 -345.9,-87 -2.3,-430.6 795.1,-430.6 968.2,-257.5 v1(968.2,-83.1)
OUT52: LED25.2 TP9.1 U10.14 | length 452.4
  Top Layer w6: U10.14@786.42,-47.24 1018.14,-47.24 1089.8,-118.9 TP9.1@1112.9,-118.9 1143.7,-88.1 LED25.2@1143.7,-35.43
OUT53: LED25.3 TP14.1 U10.15 | length 450.8
  Top Layer w6: U10.15@786.42,-31.5 862.3,-31.5 973.9,80.1 TP14.1@1000,80.1 ; TP14.1@999.35,79.45 1077.7,1.1 1109.37,1.1 LED25.3@1143.7,35.43
OUT54: LED25.4 TP10.1 U10.16 | length 435.1
  Top Layer w6: U10.16@786.42,-15.75 856.55,-15.75 905.4,33.1 905.4,42.9 979.7,117.2 1066.6,117.2 TP10.1@1083.1,100.7 1096.46,87.34 LED25.4@1096.46,35.43
OUT55: LED24.2 TP15.1 U10.18 | length 462.2
  Top Layer w6: U10.18@786.42,15.75 825.45,15.75 TP15.1@995.2,185.5 1093.6,185.5 1113.88,205.78 LED24.2@1113.88,261.77
OUT56: LED24.3 TP11.1 U10.19 | length 542.9
  Top Layer w6: U10.19@786.42,31.5 812.7,31.5 939.2,158 939.2,200.3 1017.3,278.4 1054.5,278.4 1095.54,319.44 LED24.3@1095.54,330.22 1080.5,345.26 TP11.1@1080.5,402.9
OUT57: LED24.4 TP16.1 U10.20 | length 437.8
  Top Layer w6: U10.20@786.42,47.24 810.04,47.24 924.4,161.6 924.4,267.69 974.7,317.99 LED24.4@1049.9,317.99
OUT58: LED22.2 TP17.1 U10.21 | length 582.3
  Top Layer w6: U10.21@786.42,62.99 807.29,62.99 910.2,165.9 910.2,355.4 TP17.1@958.8,404 1008.17,453.37 LED22.2@1008.17,541.16
OUT59: LED22.3 TP20.1 U10.22 | length 600.6
  Top Layer w6: U10.22@787.4,78.74 787.4,91.4 894.6,198.6 894.6,496 972.74,574.14 LED22.3@972.74,602.54
OUT60: LED22.4 TP21.1 U10.23 | length 545.6
  Top Layer w6: U10.23@762.8,103.35 762.8,122.9 863.5,223.6 863.5,499.3 931.83,567.63 LED22.4@931.83,578.91
OUT61: LED20.2 TP22.1 U10.24 | length 737.2
  Top Layer w6: U10.24@747.05,102.36 747.05,137.45 827,217.4 827,623.6 TP22.1@857.9,654.5 857.9,759.52 LED20.2@833.77,783.66
OUT62: LED20.3 TP25.1 U10.25 | length 766.2
  Top Layer w6: U10.25@731.3,102.36 731.3,168.6 TP25.1@781.7,219 777.5,223.2 777.5,738.11 770.96,744.65 770.96,758.63 781.7,769.37 781.7,781.5 788.7,788.5 788.7,828.72 LED20.3@783.66,833.77
OUT63: LED20.4 TP27.1 U10.26 | length 855.3
  Top Layer w6: U10.26@715.55,102.36 715.55,190.55 765.5,240.5 765.5,733.14 758.96,739.68 758.96,763.6 767.6,772.24 767.6,783.01 LED20.4@750.25,800.36 750.25,863.95 737.8,876.4 TP27.1@737.8,918.3
OUT64: LED18.2 TP34.1 U10.27 | length 971.9
  Top Layer w6: LED18.2@602.54,972.74 631.16,972.74 TP34.1@658,945.9 663.1,940.8 663.1,844 746.96,760.14 746.96,734.71 753.5,728.17 753.5,263.13 699.8,209.44 U10.27@699.8,102.36
OUT65: LED18.4 TP47.1 U10.28 | length 1120
  Top Layer w6: TP47.1@572.3,1040.4 579.1,1033.6 579.1,992.4 553.96,967.26 LED18.4@517.54,967.26 517.54,930.16 573.6,874.1 600.9,874.1 734.96,740.04 734.96,729.74 741.2,723.5 741.2,280.5 684.06,223.36 U10.28@684.06,102.36
OUT66: LED18.3 TP49.1 U10.29 | length 1051.3
  Top Layer w6: TP49.1@460.9,834.6 483.9,857.6 483.9,995.8 496.27,1008.17 LED18.3@541.16,1008.17 ; v1(656.75,245.45) 668.31,233.89 U10.29@668.31,102.36
  Bottom Layer w6: TP49.1@460.9,834.6 460.9,799.81 570,690.71 570,332.2 v1(656.75,245.45)